# KiCad board Panel2.kicad_pcb
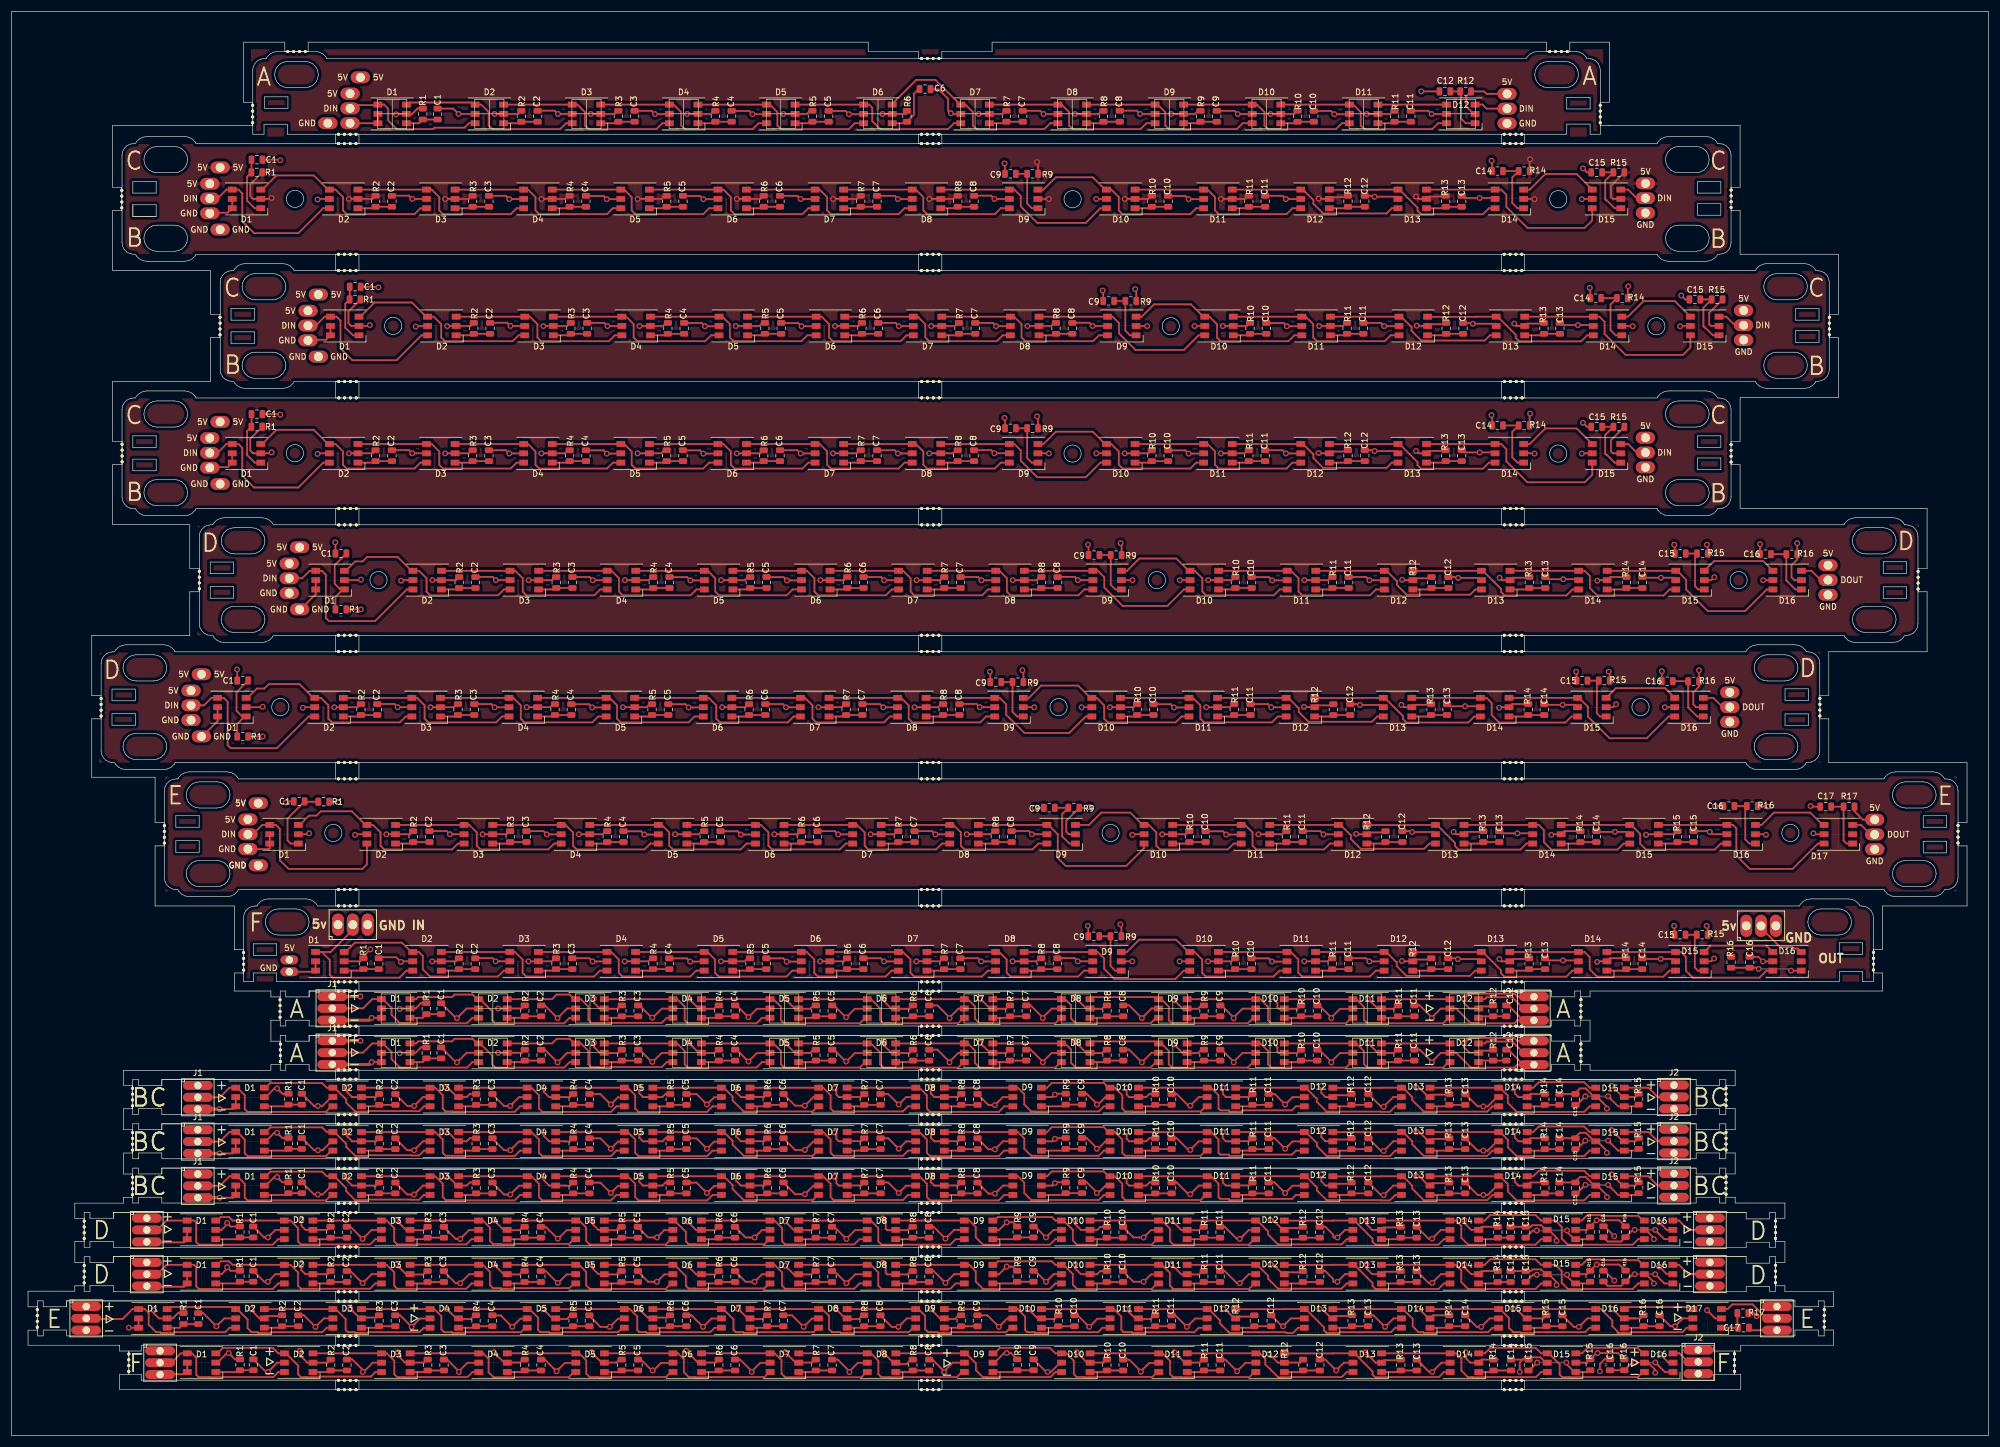
[diagram p0: board, top side]
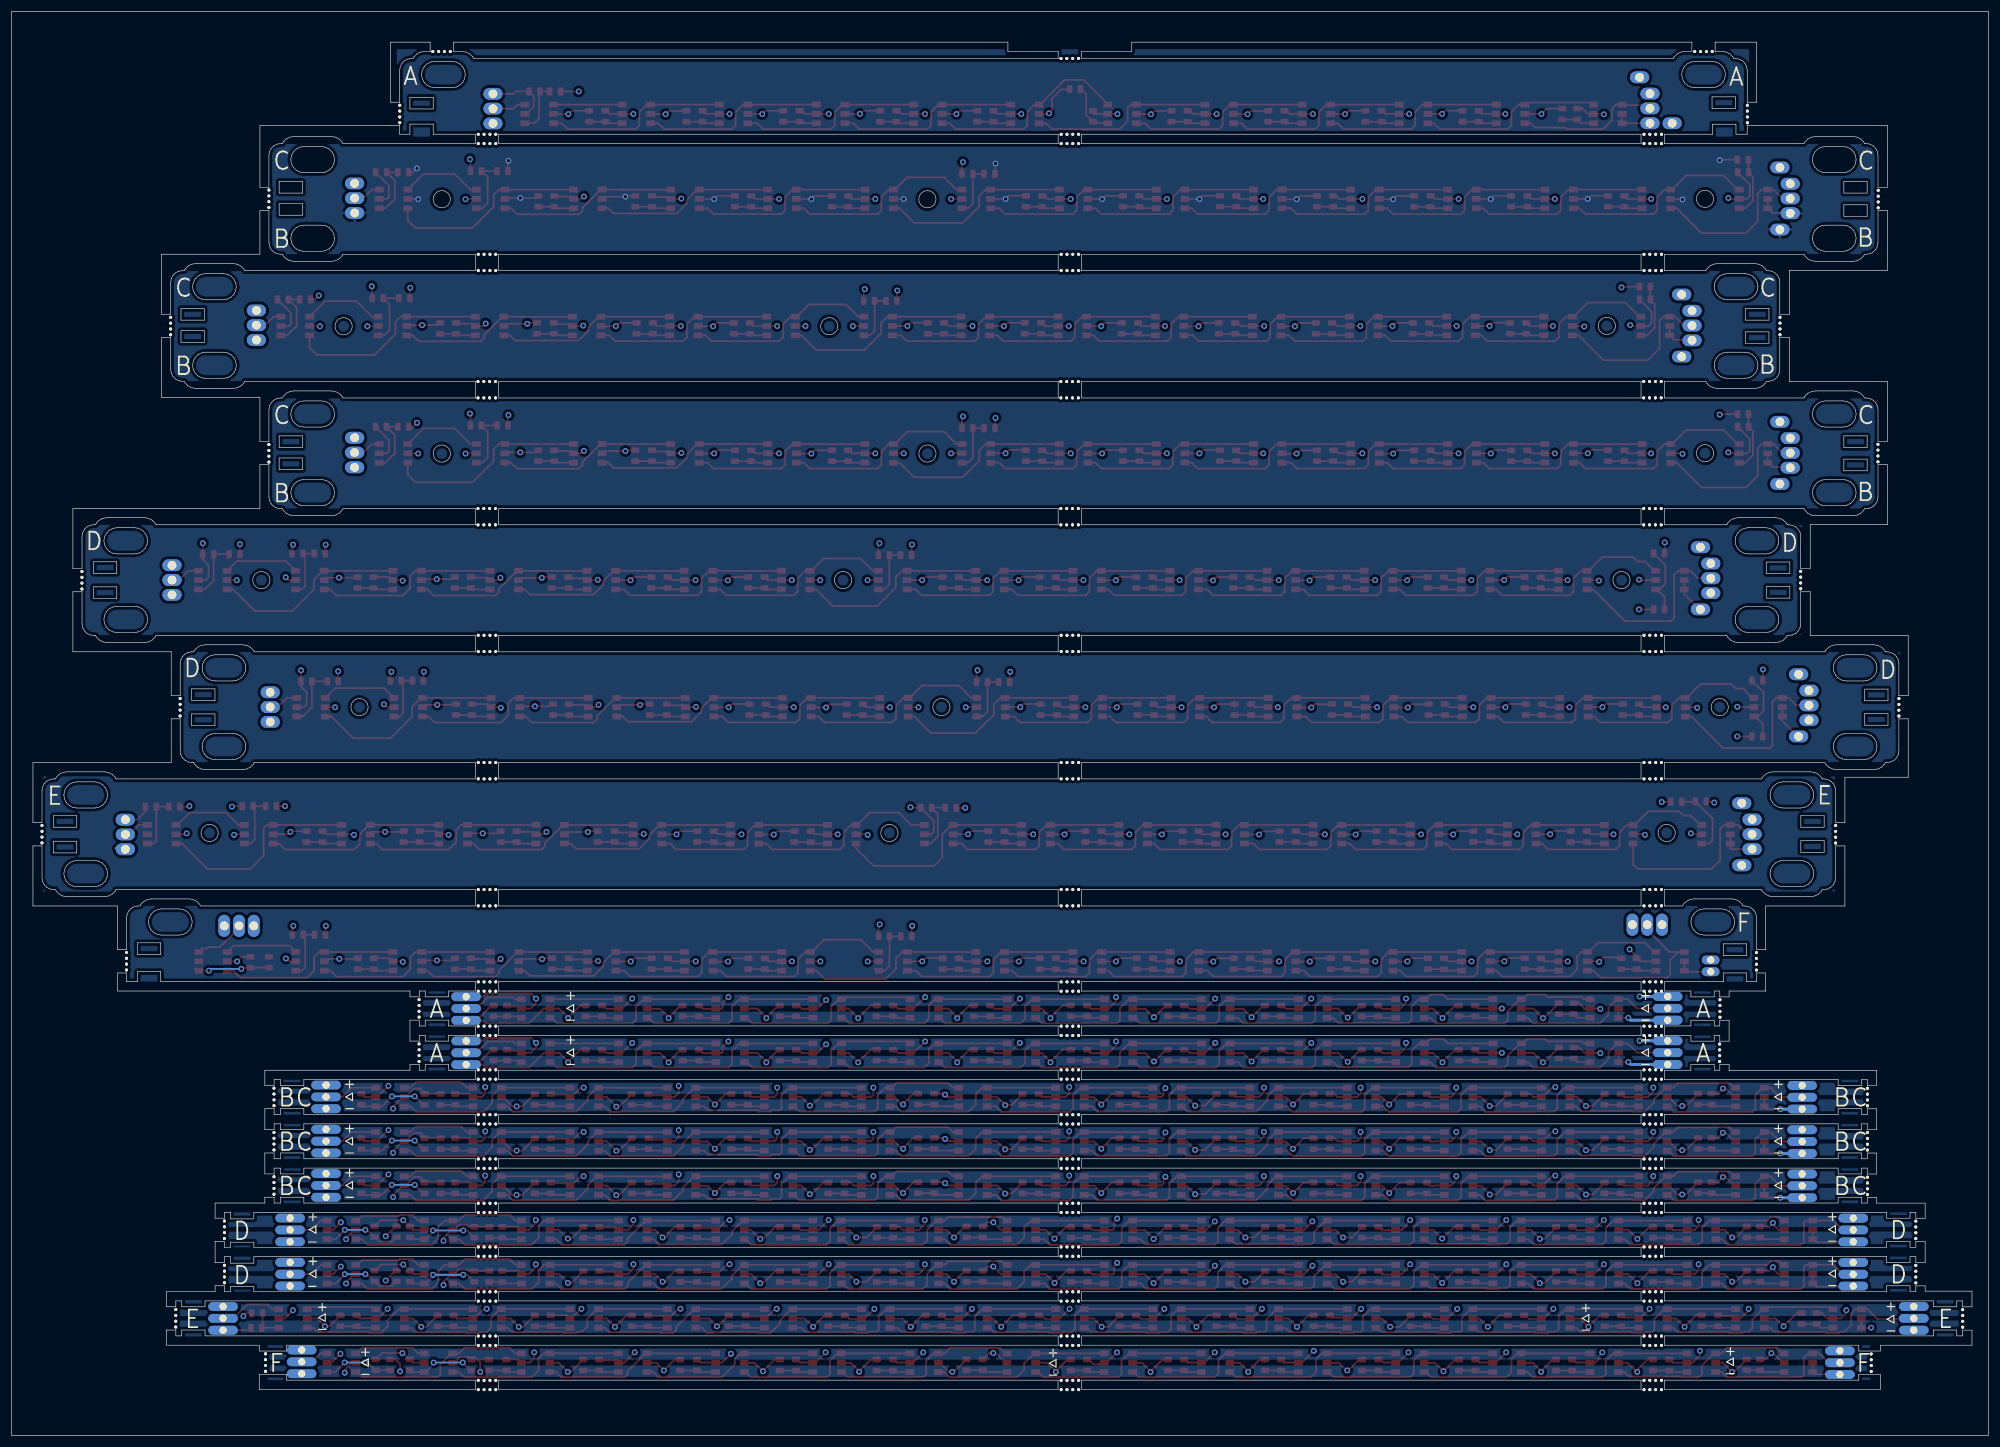
[diagram p1: board, bottom side, seen from below]

Outline 339.13 x 244.39 mm; copper layers: Top, In1.Cu (plane), In2.Cu (plane), Bottom. Coordinates in mm from the lower left corner of the outline.

## Placement (name value [footprint] x y rotation side)
C1  100NF  [C_0805_2012Metric]  42.09 218.98 0 top
C1#2  100NF  [C_0805_2012Metric]  39.64 129.57 180 top
C1#3  100NF  [C_0805_2012Metric]  56.48 151.38 180 top
C1#4  100NF  [C_0805_2012Metric]  62.99 80.96 90 top
C1#5  100NF  [C_0805_2012Metric]  49.33 108.82 180 top
C1#6  100NF  [C_0805_2012Metric]  73.08 226.81 90 top
C1#7  100NF  [C_0805_2012Metric]  42.09 175.31 0 top
C1#8  100NF  [C_0805_2012Metric]  58.94 197.17 0 top
C1#9  100NF  [C_0805_2012Metric]  73.68 65.65 90 top
C1#10  100NF  [C_0805_2012Metric]  73.68 73.25 90 top
C1#11  100NF  [C_0805_2012Metric]  49.78 42.51 90 top
C1#12  100NF  [C_0805_2012Metric]  49.78 50.11 90 top
C1#13  100NF  [C_0805_2012Metric]  49.78 57.71 90 top
C1#14  100NF  [C_0805_2012Metric]  41.45 27.31 90 top
C1#15  100NF  [C_0805_2012Metric]  41.45 34.91 90 top
C1#16  100NF  [C_0805_2012Metric]  32.02 20.05 90 top
C1#17  100NF  [C_0805_2012Metric]  41.47 12.11 90 top
C2  100NF  [C_0805_2012Metric]  65.24 211.84 90 top
C2#2  100NF  [C_0805_2012Metric]  62.72 124.59 90 top
C2#3  100NF  [C_0805_2012Metric]  79.57 146.41 90 top
C2#4  100NF  [C_0805_2012Metric]  79.53 80.97 90 top
C2#5  100NF  [C_0805_2012Metric]  71.68 102.78 90 top
C2#6  100NF  [C_0805_2012Metric]  90.23 226.43 90 top
C2#7  100NF  [C_0805_2012Metric]  65.24 168.17 90 top
C2#8  100NF  [C_0805_2012Metric]  82.08 190.03 90 top
C2#9  100NF  [C_0805_2012Metric]  90.83 65.27 90 top
C2#10  100NF  [C_0805_2012Metric]  90.83 72.87 90 top
C2#11  100NF  [C_0805_2012Metric]  65.84 42.47 90 top
C2#12  100NF  [C_0805_2012Metric]  65.84 50.07 90 top
C2#13  100NF  [C_0805_2012Metric]  65.84 57.67 90 top
C2#14  100NF  [C_0805_2012Metric]  57.5 27.27 90 top
C2#15  100NF  [C_0805_2012Metric]  57.5 34.87 90 top
C2#16  100NF  [C_0805_2012Metric]  49.17 19.67 90 top
C2#17  100NF  [C_0805_2012Metric]  57.53 12.07 90 top
C3  100NF  [C_0805_2012Metric]  81.88 211.84 90 top
C3#2  100NF  [C_0805_2012Metric]  79.37 124.59 90 top
C3#3  100NF  [C_0805_2012Metric]  96.21 146.41 90 top
C3#4  100NF  [C_0805_2012Metric]  96.18 80.97 90 top
C3#5  100NF  [C_0805_2012Metric]  88.32 102.78 90 top
C3#6  100NF  [C_0805_2012Metric]  106.88 226.43 90 top
C3#7  100NF  [C_0805_2012Metric]  81.88 168.17 90 top
C3#8  100NF  [C_0805_2012Metric]  98.73 190.03 90 top
C3#9  100NF  [C_0805_2012Metric]  107.48 65.27 90 top
C3#10  100NF  [C_0805_2012Metric]  107.48 72.87 90 top
C3#11  100NF  [C_0805_2012Metric]  82.48 42.47 90 top
C3#12  100NF  [C_0805_2012Metric]  82.48 50.07 90 top
C3#13  100NF  [C_0805_2012Metric]  82.48 57.67 90 top
C3#14  100NF  [C_0805_2012Metric]  74.15 27.27 90 top
C3#15  100NF  [C_0805_2012Metric]  74.15 34.87 90 top
C3#16  100NF  [C_0805_2012Metric]  65.82 19.67 90 top
C3#17  100NF  [C_0805_2012Metric]  74.17 12.07 90 top
C4  100NF  [C_0805_2012Metric]  98.53 211.84 90 top
C4#2  100NF  [C_0805_2012Metric]  96.01 124.59 90 top
C4#3  100NF  [C_0805_2012Metric]  112.86 146.41 90 top
C4#4  100NF  [C_0805_2012Metric]  112.83 80.97 90 top
C4#5  100NF  [C_0805_2012Metric]  104.97 102.78 90 top
C4#6  100NF  [C_0805_2012Metric]  123.53 226.43 90 top
C4#7  100NF  [C_0805_2012Metric]  98.53 168.17 90 top
C4#8  100NF  [C_0805_2012Metric]  115.38 190.03 90 top
C4#9  100NF  [C_0805_2012Metric]  124.13 65.27 90 top
C4#10  100NF  [C_0805_2012Metric]  124.13 72.87 90 top
C4#11  100NF  [C_0805_2012Metric]  99.13 42.47 90 top
C4#12  100NF  [C_0805_2012Metric]  99.13 50.07 90 top
C4#13  100NF  [C_0805_2012Metric]  99.13 57.67 90 top
C4#14  100NF  [C_0805_2012Metric]  90.8 27.27 90 top
C4#15  100NF  [C_0805_2012Metric]  90.8 34.87 90 top
C4#16  100NF  [C_0805_2012Metric]  82.46 19.67 90 top
C4#17  100NF  [C_0805_2012Metric]  90.82 12.07 90 top
C5  100NF  [C_0805_2012Metric]  115.18 211.84 90 top
C5#2  100NF  [C_0805_2012Metric]  112.66 124.59 90 top
C5#3  100NF  [C_0805_2012Metric]  129.51 146.41 90 top
C5#4  100NF  [C_0805_2012Metric]  129.47 80.97 90 top
C5#5  100NF  [C_0805_2012Metric]  121.61 102.78 90 top
C5#6  100NF  [C_0805_2012Metric]  140.17 226.43 90 top
C5#7  100NF  [C_0805_2012Metric]  115.18 168.17 90 top
C5#8  100NF  [C_0805_2012Metric]  132.02 190.03 90 top
C5#9  100NF  [C_0805_2012Metric]  140.77 65.27 90 top
C5#10  100NF  [C_0805_2012Metric]  140.77 72.87 90 top
C5#11  100NF  [C_0805_2012Metric]  115.78 42.47 90 top
C5#12  100NF  [C_0805_2012Metric]  115.78 50.07 90 top
C5#13  100NF  [C_0805_2012Metric]  115.78 57.67 90 top
C5#14  100NF  [C_0805_2012Metric]  107.44 27.27 90 top
C5#15  100NF  [C_0805_2012Metric]  107.44 34.87 90 top
C5#16  100NF  [C_0805_2012Metric]  99.11 19.67 90 top
C5#17  100NF  [C_0805_2012Metric]  107.46 12.07 90 top
C6  100NF  [C_0805_2012Metric]  131.82 211.84 90 top
C6#2  100NF  [C_0805_2012Metric]  129.31 124.59 90 top
C6#3  100NF  [C_0805_2012Metric]  146.15 146.41 90 top
C6#4  100NF  [C_0805_2012Metric]  146.12 80.97 90 top
C6#5  100NF  [C_0805_2012Metric]  138.26 102.78 90 top
C6#6  100NF  [C_0805_2012Metric]  156.7 231.11 0 top
C6#7  100NF  [C_0805_2012Metric]  131.82 168.17 90 top
C6#8  100NF  [C_0805_2012Metric]  148.67 190.03 90 top
C6#9  100NF  [C_0805_2012Metric]  157.42 65.27 90 top
C6#10  100NF  [C_0805_2012Metric]  157.42 72.87 90 top
C6#11  100NF  [C_0805_2012Metric]  132.42 42.47 90 top
C6#12  100NF  [C_0805_2012Metric]  132.42 50.07 90 top
C6#13  100NF  [C_0805_2012Metric]  132.42 57.67 90 top
C6#14  100NF  [C_0805_2012Metric]  124.09 27.27 90 top
C6#15  100NF  [C_0805_2012Metric]  124.09 34.87 90 top
C6#16  100NF  [C_0805_2012Metric]  115.76 19.67 90 top
C6#17  100NF  [C_0805_2012Metric]  124.11 12.07 90 top
C7  100NF  [C_0805_2012Metric]  148.47 211.84 90 top
C7#2  100NF  [C_0805_2012Metric]  145.95 124.59 90 top
C7#3  100NF  [C_0805_2012Metric]  162.8 146.41 90 top
C7#4  100NF  [C_0805_2012Metric]  162.76 80.97 90 top
C7#5  100NF  [C_0805_2012Metric]  154.91 102.78 90 top
C7#6  100NF  [C_0805_2012Metric]  173.46 226.43 90 top
C7#7  100NF  [C_0805_2012Metric]  148.47 168.17 90 top
C7#8  100NF  [C_0805_2012Metric]  165.31 190.03 90 top
C7#9  100NF  [C_0805_2012Metric]  174.06 65.27 90 top
C7#10  100NF  [C_0805_2012Metric]  174.06 72.87 90 top
C7#11  100NF  [C_0805_2012Metric]  149.07 42.47 90 top
C7#12  100NF  [C_0805_2012Metric]  149.07 50.07 90 top
C7#13  100NF  [C_0805_2012Metric]  149.07 57.67 90 top
C7#14  100NF  [C_0805_2012Metric]  140.74 27.27 90 top
C7#15  100NF  [C_0805_2012Metric]  140.74 34.87 90 top
C7#16  100NF  [C_0805_2012Metric]  132.4 19.67 90 top
C7#17  100NF  [C_0805_2012Metric]  140.76 12.07 90 top
C8  100NF  [C_0805_2012Metric]  165.11 211.84 90 top
C8#2  100NF  [C_0805_2012Metric]  162.6 124.59 90 top
C8#3  100NF  [C_0805_2012Metric]  179.45 146.41 90 top
C8#4  100NF  [C_0805_2012Metric]  179.41 80.97 90 top
C8#5  100NF  [C_0805_2012Metric]  171.55 102.78 90 top
C8#6  100NF  [C_0805_2012Metric]  190.11 226.43 90 top
C8#7  100NF  [C_0805_2012Metric]  165.11 168.17 90 top
C8#8  100NF  [C_0805_2012Metric]  181.96 190.03 90 top
C8#9  100NF  [C_0805_2012Metric]  190.71 65.27 90 top
C8#10  100NF  [C_0805_2012Metric]  190.71 72.87 90 top
C8#11  100NF  [C_0805_2012Metric]  165.71 42.47 90 top
C8#12  100NF  [C_0805_2012Metric]  165.71 50.07 90 top
C8#13  100NF  [C_0805_2012Metric]  165.71 57.67 90 top
C8#14  100NF  [C_0805_2012Metric]  157.38 27.27 90 top
C8#15  100NF  [C_0805_2012Metric]  157.38 34.87 90 top
C8#16  100NF  [C_0805_2012Metric]  149.05 19.67 90 top
C8#17  100NF  [C_0805_2012Metric]  157.4 12.07 90 top
C9  100NF  [C_0805_2012Metric]  171.35 216.55 180 top
C9#2  100NF  [C_0805_2012Metric]  168.84 129.3 180 top
C9#3  100NF  [C_0805_2012Metric]  185.68 151.11 180 top
C9#4  100NF  [C_0805_2012Metric]  185.65 85.68 180 top
C9#5  100NF  [C_0805_2012Metric]  178.03 107.72 180 top
C9#6  100NF  [C_0805_2012Metric]  206.76 226.43 90 top
C9#7  100NF  [C_0805_2012Metric]  171.35 172.88 180 top
C9#8  100NF  [C_0805_2012Metric]  188.2 194.74 180 top
C9#9  100NF  [C_0805_2012Metric]  207.36 65.27 90 top
C9#10  100NF  [C_0805_2012Metric]  207.36 72.87 90 top
C9#11  100NF  [C_0805_2012Metric]  183.64 42.51 90 top
C9#12  100NF  [C_0805_2012Metric]  183.64 50.11 90 top
C9#13  100NF  [C_0805_2012Metric]  183.64 57.71 90 top
C9#14  100NF  [C_0805_2012Metric]  175.3 27.31 90 top
C9#15  100NF  [C_0805_2012Metric]  175.3 34.91 90 top
C9#16  100NF  [C_0805_2012Metric]  165.69 19.67 90 top
C9#17  100NF  [C_0805_2012Metric]  175.32 12.11 90 top
C10  100NF  [C_0805_2012Metric]  198.41 211.84 90 top
C10#2  100NF  [C_0805_2012Metric]  195.89 124.59 90 top
C10#3  100NF  [C_0805_2012Metric]  212.74 146.41 90 top
C10#4  100NF  [C_0805_2012Metric]  212.7 80.97 90 top
C10#5  100NF  [C_0805_2012Metric]  204.85 102.78 90 top
C10#6  100NF  [C_0805_2012Metric]  223.4 226.43 90 top
C10#7  100NF  [C_0805_2012Metric]  198.41 168.17 90 top
C10#8  100NF  [C_0805_2012Metric]  215.25 190.03 90 top
C10#9  100NF  [C_0805_2012Metric]  224 65.27 90 top
C10#10  100NF  [C_0805_2012Metric]  224 72.87 90 top
C10#11  100NF  [C_0805_2012Metric]  199.01 50.07 90 top
C10#12  100NF  [C_0805_2012Metric]  199.01 42.47 90 top
C10#13  100NF  [C_0805_2012Metric]  199.01 57.67 90 top
C10#14  100NF  [C_0805_2012Metric]  190.67 27.27 90 top
C10#15  100NF  [C_0805_2012Metric]  190.67 34.87 90 top
C10#16  100NF  [C_0805_2012Metric]  182.34 19.67 90 top
C10#17  100NF  [C_0805_2012Metric]  190.69 12.07 90 top
C11  100NF  [C_0805_2012Metric]  215.05 211.84 90 top
C11#2  100NF  [C_0805_2012Metric]  212.54 124.59 90 top
C11#3  100NF  [C_0805_2012Metric]  229.38 146.41 90 top
C11#4  100NF  [C_0805_2012Metric]  229.35 80.97 90 top
C11#5  100NF  [C_0805_2012Metric]  221.49 102.78 90 top
C11#6  100NF  [C_0805_2012Metric]  240.05 226.43 90 top
C11#7  100NF  [C_0805_2012Metric]  215.05 168.17 90 top
C11#8  100NF  [C_0805_2012Metric]  231.9 190.03 90 top
C11#9  100NF  [C_0805_2012Metric]  240.65 65.27 90 top
C11#10  100NF  [C_0805_2012Metric]  240.65 72.87 90 top
C11#11  100NF  [C_0805_2012Metric]  215.65 42.47 90 top
C11#12  100NF  [C_0805_2012Metric]  215.65 50.07 90 top
C11#13  100NF  [C_0805_2012Metric]  215.65 57.67 90 top
C11#14  100NF  [C_0805_2012Metric]  207.32 27.27 90 top
C11#15  100NF  [C_0805_2012Metric]  207.32 34.87 90 top
C11#16  100NF  [C_0805_2012Metric]  198.99 19.67 90 top
C11#17  100NF  [C_0805_2012Metric]  207.34 12.07 90 top
C12  100NF  [C_0805_2012Metric]  232.15 211.84 90 top
C12#2  100NF  [C_0805_2012Metric]  229.64 124.59 90 top
C12#3  100NF  [C_0805_2012Metric]  246.49 146.41 90 top
C12#4  100NF  [C_0805_2012Metric]  246.45 80.97 90 top
C12#5  100NF  [C_0805_2012Metric]  238.59 102.78 90 top
C12#6  100NF  [C_0805_2012Metric]  245.9 230.7 180 top
C12#7  100NF  [C_0805_2012Metric]  232.15 168.17 90 top
C12#8  100NF  [C_0805_2012Metric]  249 190.03 90 top
C12#9  100NF  [C_0805_2012Metric]  256.43 65.27 90 top
C12#10  100NF  [C_0805_2012Metric]  256.43 72.87 90 top
C12#11  100NF  [C_0805_2012Metric]  232.75 42.47 90 top
C12#12  100NF  [C_0805_2012Metric]  232.75 50.07 90 top
C12#13  100NF  [C_0805_2012Metric]  232.75 57.67 90 top
C12#14  100NF  [C_0805_2012Metric]  224.42 27.27 90 top
C12#15  100NF  [C_0805_2012Metric]  224.42 34.87 90 top
C12#16  100NF  [C_0805_2012Metric]  216.09 19.67 90 top
C12#17  100NF  [C_0805_2012Metric]  224.44 12.07 90 top
C13  100NF  [C_0805_2012Metric]  248.78 211.84 90 top
C13#2  100NF  [C_0805_2012Metric]  246.26 124.59 90 top
C13#3  100NF  [C_0805_2012Metric]  263.11 146.41 90 top
C13#4  100NF  [C_0805_2012Metric]  263.07 80.97 90 top
C13#5  100NF  [C_0805_2012Metric]  255.21 102.78 90 top
C13#6  100NF  [C_0805_2012Metric]  248.78 168.17 90 top
C13#7  100NF  [C_0805_2012Metric]  265.62 190.03 90 top
C13#8  100NF  [C_0805_2012Metric]  249.38 42.47 90 top
C13#9  100NF  [C_0805_2012Metric]  249.38 50.07 90 top
C13#10  100NF  [C_0805_2012Metric]  249.38 57.67 90 top
C13#11  100NF  [C_0805_2012Metric]  241.04 27.27 90 top
C13#12  100NF  [C_0805_2012Metric]  241.04 34.87 90 top
C13#13  100NF  [C_0805_2012Metric]  232.71 19.67 90 top
C13#14  100NF  [C_0805_2012Metric]  241.06 12.07 90 top
C14  100NF  [C_0805_2012Metric]  254.91 217.03 180 top
C14#2  100NF  [C_0805_2012Metric]  262.93 124.59 90 top
C14#3  100NF  [C_0805_2012Metric]  279.77 146.41 90 top
C14#4  100NF  [C_0805_2012Metric]  279.74 80.97 90 top
C14#5  100NF  [C_0805_2012Metric]  271.88 102.78 90 top
C14#6  100NF  [C_0805_2012Metric]  254.91 173.36 180 top
C14#7  100NF  [C_0805_2012Metric]  271.76 195.22 180 top
C14#8  100NF  [C_0805_2012Metric]  265.54 42.47 90 top
C14#9  100NF  [C_0805_2012Metric]  265.54 50.07 90 top
C14#10  100NF  [C_0805_2012Metric]  265.54 57.67 90 top
C14#11  100NF  [C_0805_2012Metric]  257.16 27.27 90 top
C14#12  100NF  [C_0805_2012Metric]  257.16 34.87 90 top
C14#13  100NF  [C_0805_2012Metric]  249.38 19.67 90 top
C14#14  100NF  [C_0805_2012Metric]  257.23 12.07 90 top
C15  100NF  [C_0805_2012Metric]  271.94 216.8 180 top
C15#2  100NF  [C_0805_2012Metric]  269.42 129.56 180 top
C15#3  100NF  [C_0805_2012Metric]  286.27 151.37 180 top
C15#4  100NF  [C_0805_2012Metric]  286.23 85.93 180 top
C15#5  100NF  [C_0805_2012Metric]  288.55 102.78 90 top
C15#6  100NF  [C_0805_2012Metric]  271.94 173.14 180 top
C15#7  100NF  [C_0805_2012Metric]  288.78 194.99 180 top
C15#8  100NF  [C_0805_2012Metric]  268.29 42.47 90 top
C15#9  100NF  [C_0805_2012Metric]  268.29 50.07 90 top
C15#10  100NF  [C_0805_2012Metric]  268.29 57.67 90 top
C15#11  100NF  [C_0805_2012Metric]  259.76 27.27 90 top
C15#12  100NF  [C_0805_2012Metric]  259.76 34.87 90 top
C15#13  100NF  [C_0805_2012Metric]  266.04 19.67 90 top
C15#14  100NF  [C_0805_2012Metric]  260.23 12.07 90 top
C16  100NF  [C_0805_2012Metric]  284.05 129.46 180 top
C16#2  100NF  [C_0805_2012Metric]  300.89 151.27 180 top
C16#3  100NF  [C_0805_2012Metric]  298.19 81.21 90 top
C16#4  100NF  [C_0805_2012Metric]  294.63 108.02 180 top
C16#5  100NF  [C_0805_2012Metric]  273.09 27.34 90 top
C16#6  100NF  [C_0805_2012Metric]  273.09 34.95 90 top
C16#7  100NF  [C_0805_2012Metric]  282.71 19.67 90 top
C16#8  100NF  [C_0805_2012Metric]  274.23 12.11 90 top
C17  100NF  [C_0805_2012Metric]  311.23 107.92 180 top
C17#2  100NF  [C_0805_2012Metric]  297.12 18.47 0 top
D1  WS2813  [LED_WS2812_PLCC6_5.0x5.0mm_P1.6mm]  40.29 212.25 180 top
D1#2  WS2813  [LED_WS2812_PLCC6_5.0x5.0mm_P1.6mm]  37.78 125 180 top
D1#3  WS2813  [LED_WS2812_PLCC6_5.0x5.0mm_P1.6mm]  54.63 146.81 180 top
D1#4  WS2813  [LED_WS2812_PLCC6_5.0x5.0mm_P1.6mm]  54.59 81.37 180 top
D1#5  WS2813  [LED_WS2812_PLCC6_5.0x5.0mm_P1.6mm]  46.73 103.19 180 top
D1#6  WS2813  [LED_WS2812_PLCC6_5.0x5.0mm_P1.6mm]  65.29 226.84 180 top
D1#7  WS2813  [LED_WS2812_PLCC6_5.0x5.0mm_P1.6mm]  40.29 168.58 180 top
D1#8  WS2813  [LED_WS2812_PLCC6_5.0x5.0mm_P1.6mm]  57.14 190.44 180 top
D1#9  WS2813  [LED_WS2812_PLCC6_5.0x5.0mm_P1.6mm]  65.89 65.67 180 top
D1#10  WS2813  [LED_WS2812_PLCC6_5.0x5.0mm_P1.6mm]  65.89 73.27 180 top
D1#11  WS2813  [LED_WS2812_PLCC6_5.0x5.0mm_P1.6mm]  40.89 42.88 180 top
D1#12  WS2813  [LED_WS2812_PLCC6_5.0x5.0mm_P1.6mm]  40.89 50.48 180 top
D1#13  WS2813  [LED_WS2812_PLCC6_5.0x5.0mm_P1.6mm]  40.89 58.08 180 top
D1#14  WS2813  [LED_WS2812_PLCC6_5.0x5.0mm_P1.6mm]  32.56 27.67 180 top
D1#15  WS2813  [LED_WS2812_PLCC6_5.0x5.0mm_P1.6mm]  32.56 35.28 180 top
D1#16  WS2813  [LED_WS2812_PLCC6_5.0x5.0mm_P1.6mm]  24.23 20.07 180 top
D1#17  WS2813  [LED_WS2812_PLCC6_5.0x5.0mm_P1.6mm]  32.58 12.48 180 top
D2  WS2813  [LED_WS2812_PLCC6_5.0x5.0mm_P1.6mm]  56.96 212.25 180 top
D2#2  WS2813  [LED_WS2812_PLCC6_5.0x5.0mm_P1.6mm]  54.45 125 180 top
D2#3  WS2813  [LED_WS2812_PLCC6_5.0x5.0mm_P1.6mm]  71.29 146.81 180 top
D2#4  WS2813  [LED_WS2812_PLCC6_5.0x5.0mm_P1.6mm]  71.26 81.37 180 top
D2#5  WS2813  [LED_WS2812_PLCC6_5.0x5.0mm_P1.6mm]  63.4 103.19 180 top
D2#6  WS2813  [LED_WS2812_PLCC6_5.0x5.0mm_P1.6mm]  81.96 226.84 180 top
D2#7  WS2813  [LED_WS2812_PLCC6_5.0x5.0mm_P1.6mm]  56.96 168.58 180 top
D2#8  WS2813  [LED_WS2812_PLCC6_5.0x5.0mm_P1.6mm]  73.81 190.44 180 top
D2#9  WS2813  [LED_WS2812_PLCC6_5.0x5.0mm_P1.6mm]  82.56 65.67 180 top
D2#10  WS2813  [LED_WS2812_PLCC6_5.0x5.0mm_P1.6mm]  82.56 73.27 180 top
D2#11  WS2813  [LED_WS2812_PLCC6_5.0x5.0mm_P1.6mm]  57.56 42.88 180 top
D2#12  WS2813  [LED_WS2812_PLCC6_5.0x5.0mm_P1.6mm]  57.56 50.48 180 top
D2#13  WS2813  [LED_WS2812_PLCC6_5.0x5.0mm_P1.6mm]  57.56 58.08 180 top
D2#14  WS2813  [LED_WS2812_PLCC6_5.0x5.0mm_P1.6mm]  49.23 27.67 180 top
D2#15  WS2813  [LED_WS2812_PLCC6_5.0x5.0mm_P1.6mm]  49.23 35.28 180 top
D2#16  WS2813  [LED_WS2812_PLCC6_5.0x5.0mm_P1.6mm]  40.89 20.07 180 top
D2#17  WS2813  [LED_WS2812_PLCC6_5.0x5.0mm_P1.6mm]  49.25 12.48 180 top
D3  WS2813  [LED_WS2812_PLCC6_5.0x5.0mm_P1.6mm]  73.63 212.25 180 top
D3#2  WS2813  [LED_WS2812_PLCC6_5.0x5.0mm_P1.6mm]  71.11 125 180 top
D3#3  WS2813  [LED_WS2812_PLCC6_5.0x5.0mm_P1.6mm]  87.96 146.81 180 top
D3#4  WS2813  [LED_WS2812_PLCC6_5.0x5.0mm_P1.6mm]  87.92 81.37 180 top
D3#5  WS2813  [LED_WS2812_PLCC6_5.0x5.0mm_P1.6mm]  80.07 103.19 180 top
D3#6  WS2813  [LED_WS2812_PLCC6_5.0x5.0mm_P1.6mm]  98.62 226.84 180 top
D3#7  WS2813  [LED_WS2812_PLCC6_5.0x5.0mm_P1.6mm]  73.63 168.58 180 top
D3#8  WS2813  [LED_WS2812_PLCC6_5.0x5.0mm_P1.6mm]  90.47 190.44 180 top
D3#9  WS2813  [LED_WS2812_PLCC6_5.0x5.0mm_P1.6mm]  99.22 65.67 180 top
D3#10  WS2813  [LED_WS2812_PLCC6_5.0x5.0mm_P1.6mm]  99.22 73.27 180 top
D3#11  WS2813  [LED_WS2812_PLCC6_5.0x5.0mm_P1.6mm]  74.23 42.88 180 top
D3#12  WS2813  [LED_WS2812_PLCC6_5.0x5.0mm_P1.6mm]  74.23 50.48 180 top
D3#13  WS2813  [LED_WS2812_PLCC6_5.0x5.0mm_P1.6mm]  74.23 58.08 180 top
D3#14  WS2813  [LED_WS2812_PLCC6_5.0x5.0mm_P1.6mm]  65.89 27.67 180 top
D3#15  WS2813  [LED_WS2812_PLCC6_5.0x5.0mm_P1.6mm]  65.89 35.28 180 top
D3#16  WS2813  [LED_WS2812_PLCC6_5.0x5.0mm_P1.6mm]  57.56 20.07 180 top
D3#17  WS2813  [LED_WS2812_PLCC6_5.0x5.0mm_P1.6mm]  65.91 12.48 180 top
D4  WS2813  [LED_WS2812_PLCC6_5.0x5.0mm_P1.6mm]  90.29 212.25 180 top
D4#2  WS2813  [LED_WS2812_PLCC6_5.0x5.0mm_P1.6mm]  87.78 125 180 top
D4#3  WS2813  [LED_WS2812_PLCC6_5.0x5.0mm_P1.6mm]  104.62 146.81 180 top
D4#4  WS2813  [LED_WS2812_PLCC6_5.0x5.0mm_P1.6mm]  104.59 81.37 180 top
D4#5  WS2813  [LED_WS2812_PLCC6_5.0x5.0mm_P1.6mm]  96.73 103.19 180 top
D4#6  WS2813  [LED_WS2812_PLCC6_5.0x5.0mm_P1.6mm]  115.29 226.84 180 top
D4#7  WS2813  [LED_WS2812_PLCC6_5.0x5.0mm_P1.6mm]  90.29 168.58 180 top
D4#8  WS2813  [LED_WS2812_PLCC6_5.0x5.0mm_P1.6mm]  107.14 190.44 180 top
D4#9  WS2813  [LED_WS2812_PLCC6_5.0x5.0mm_P1.6mm]  115.89 65.67 180 top
D4#10  WS2813  [LED_WS2812_PLCC6_5.0x5.0mm_P1.6mm]  115.89 73.27 180 top
D4#11  WS2813  [LED_WS2812_PLCC6_5.0x5.0mm_P1.6mm]  90.89 42.88 180 top
D4#12  WS2813  [LED_WS2812_PLCC6_5.0x5.0mm_P1.6mm]  90.89 50.48 180 top
D4#13  WS2813  [LED_WS2812_PLCC6_5.0x5.0mm_P1.6mm]  90.89 58.08 180 top
D4#14  WS2813  [LED_WS2812_PLCC6_5.0x5.0mm_P1.6mm]  82.56 27.67 180 top
D4#15  WS2813  [LED_WS2812_PLCC6_5.0x5.0mm_P1.6mm]  82.56 35.28 180 top
D4#16  WS2813  [LED_WS2812_PLCC6_5.0x5.0mm_P1.6mm]  74.23 20.07 180 top
D4#17  WS2813  [LED_WS2812_PLCC6_5.0x5.0mm_P1.6mm]  82.58 12.48 180 top
D5  WS2813  [LED_WS2812_PLCC6_5.0x5.0mm_P1.6mm]  106.96 212.25 180 top
D5#2  WS2813  [LED_WS2812_PLCC6_5.0x5.0mm_P1.6mm]  104.44 125 180 top